# Altium PCB Thunderscope_Rev4.PCBDOC (part 4 of 7)
Units mm, origin at the board's own origin, x right, y up, seen from the top; angles counter-clockwise.
Board outline 119 x 103.6 mm, 6 copper layers (Top Layer, Int1 (GND), Int2 (Sign), Int3 (Sign), Int4 (GND), Bottom Layer), stack 1.49 mm thick; 636 components, 373 nets, 2159 pads, 1291 vias.
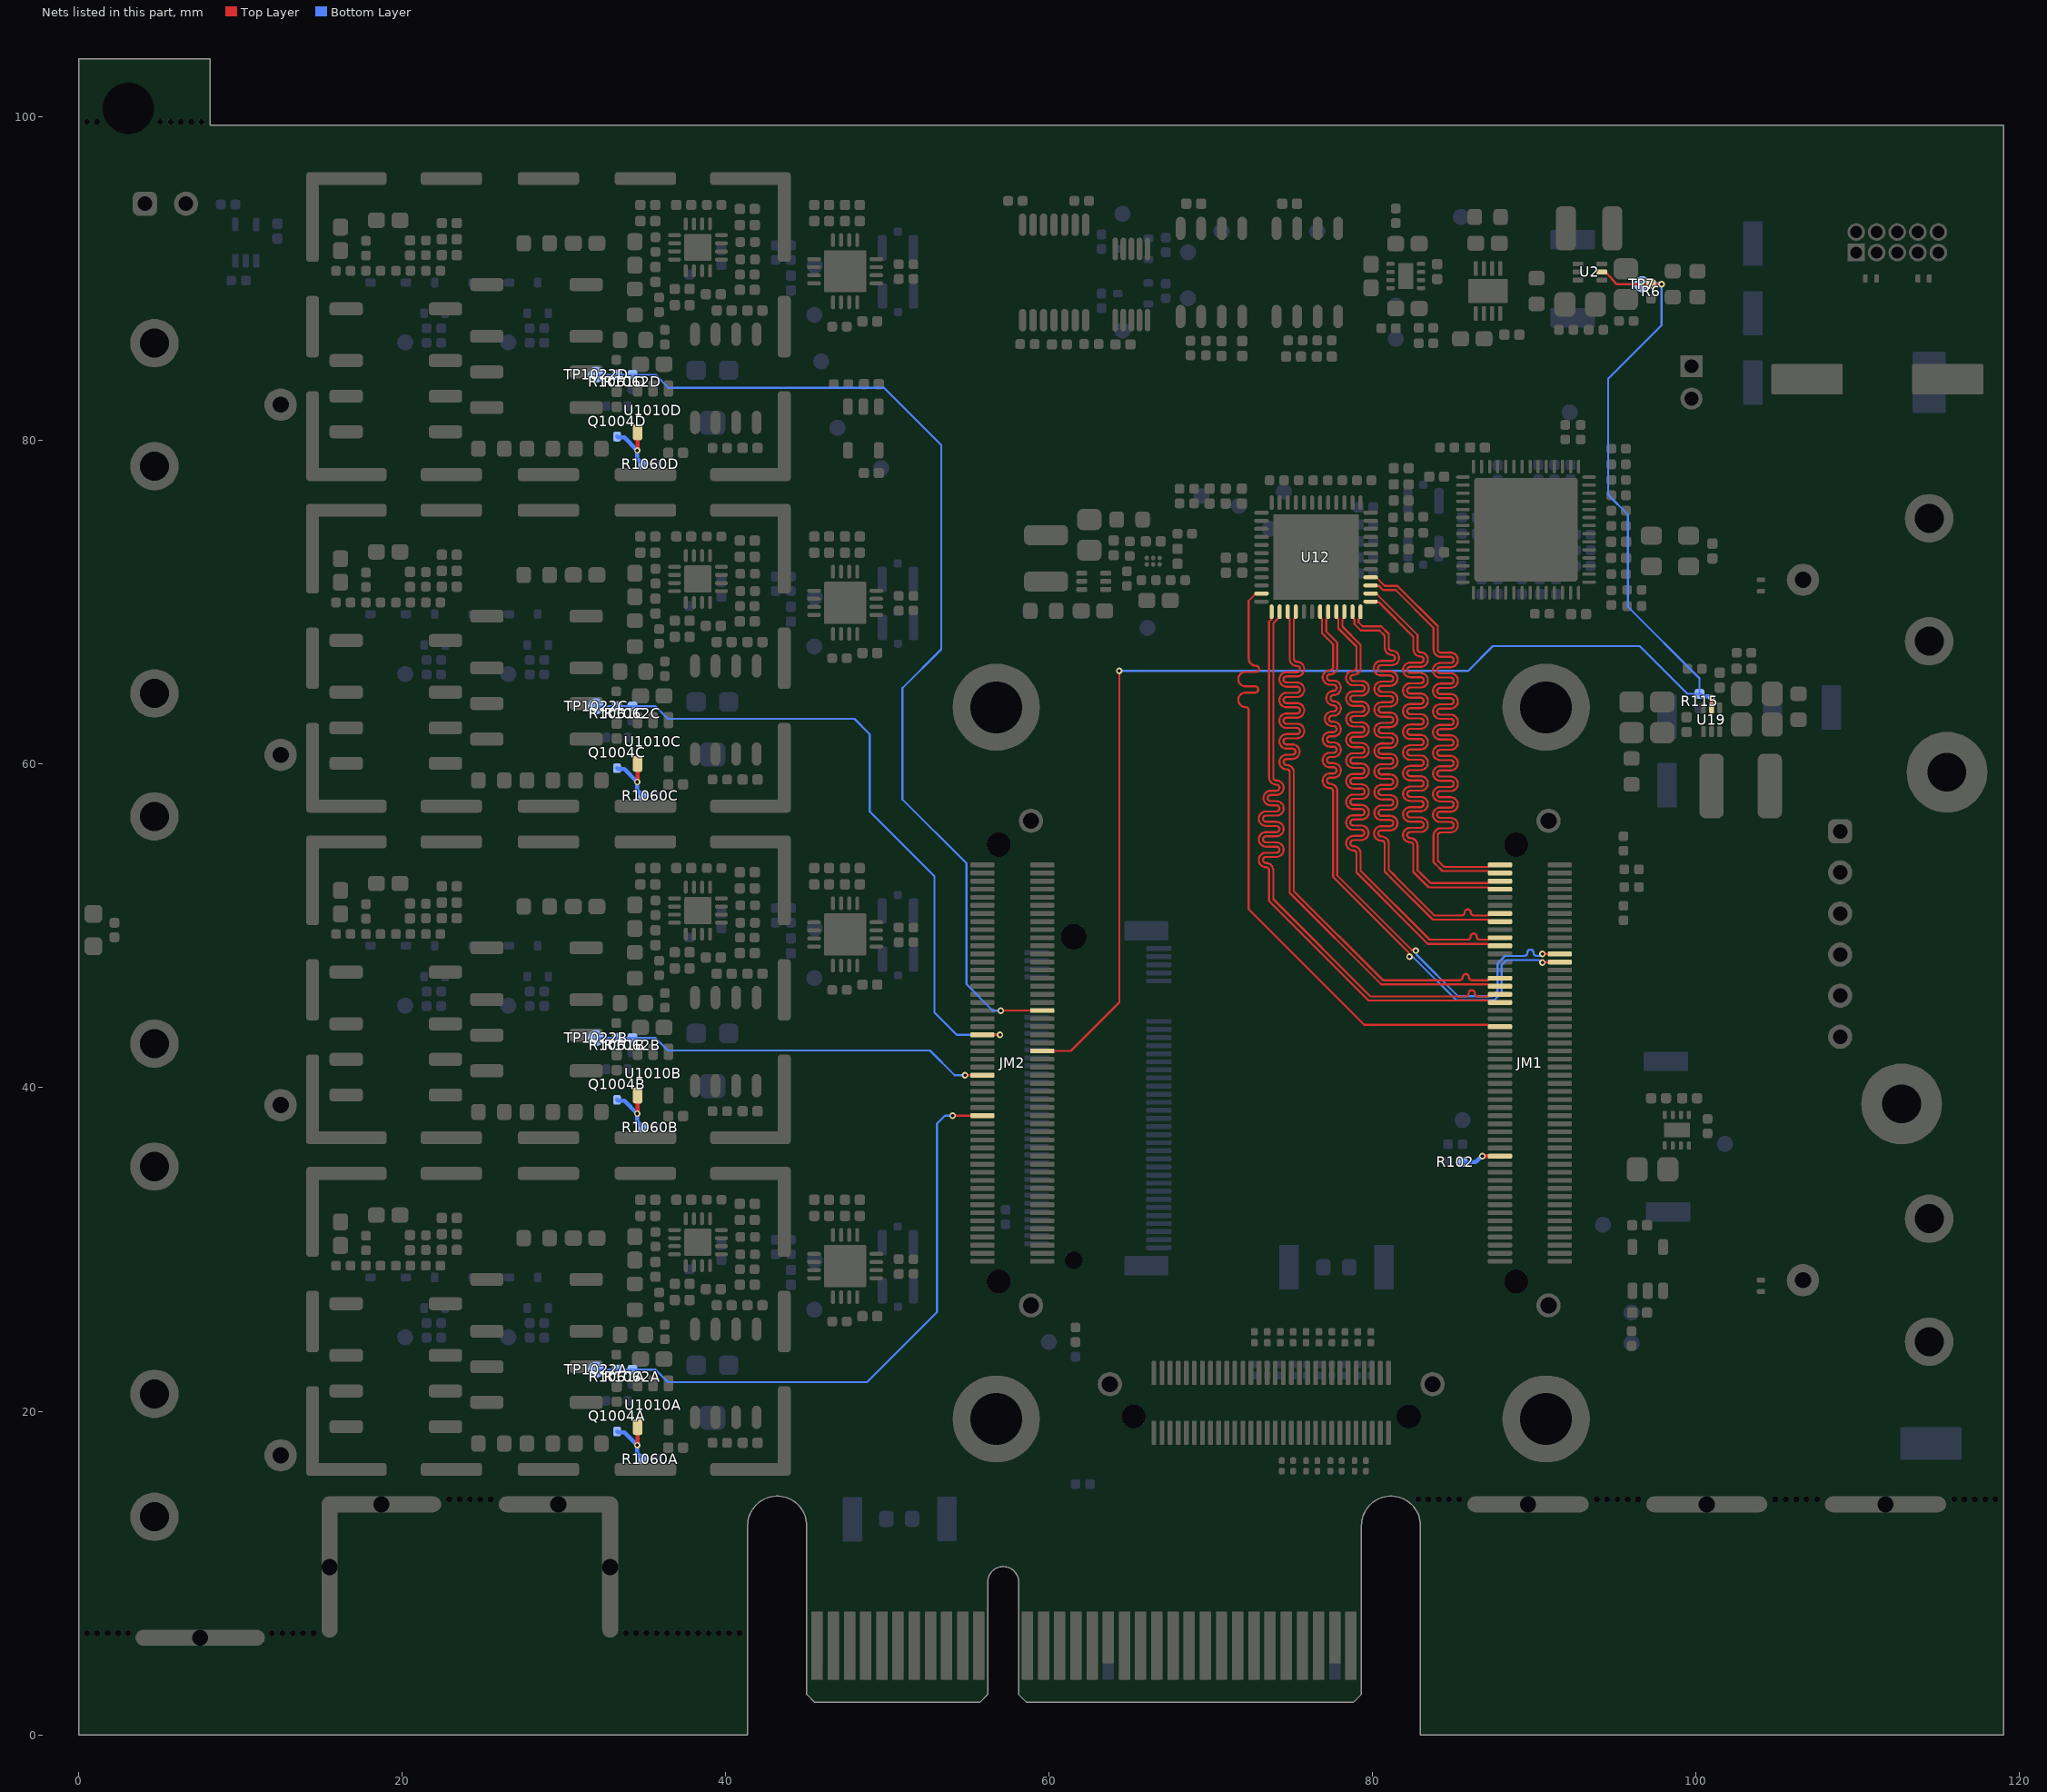
[diagram p8: the nets of this part, all layers, seen from the top]

## Via types
v1: diameter 0.406, hole 0.203, Top Layer to Bottom Layer, tented both sides, 1291 vias

## Nets (pads, with @x,y where several pads share a name; then routed paths per layer and width w, separated by ;. In a path a pad name is that pad's centre, name@x,y a point inside that pad or via, vN(x,y) a via of type N, cw(c..) or ccw(c..) an arc to the next point about the centre after c; other vN are vias at no path point) (continued)
D1B_P: JM1.59 U12.11 | length 42.3
  Top Layer w0.127: U12.11@73.106,70.538 U12.11@73.118,70.55 72.779,70.55 72.325,70.096 72.325,68.38 72.325,66.725 72.325,66.533 ccw(c72.773,66.533) 72.773,66.085 72.775,66.085 cw(c72.775,65.895) 72.965,65.895 cw(c72.775,65.895) 72.775,65.704 72.133,65.704 ccw(c72.133,65.256) 71.685,65.256 ccw(c72.133,65.256) 72.133,64.809 72.728,64.809 cw(c72.728,64.618) 72.919,64.618 cw(c72.728,64.618) 72.728,64.428 72.134,64.428 ccw(c72.134,63.98) 71.687,63.98 ccw(c72.134,63.98) 72.134,63.532 cw(c72.134,63.342) 72.325,63.342 72.325,58.753 72.325,58.279 72.325,51.036 79.469,43.892 87.139,43.892 87.261,43.771 JM1.59@87.867,43.771
D2A_N: JM1.67 U12.14 | length 42.1
  Top Layer w0.127: U12.14@74.243,69.425 74.243,69.105 73.85,68.712 73.85,61.084 73.85,59.184 ccw(c74.04,59.184) 74.04,58.993 cw(c74.041,58.546) 74.488,58.546 cw(c74.041,58.546) 74.041,58.098 73.688,58.098 ccw(c73.688,57.907) 73.498,57.907 ccw(c73.688,57.907) 73.688,57.717 74.042,57.717 cw(c74.042,57.269) 74.49,57.269 cw(c74.042,57.269) 74.042,56.822 73.4,56.822 ccw(c73.4,56.631) 73.21,56.631 ccw(c73.4,56.631) 73.4,56.441 74.042,56.441 cw(c74.042,55.993) 74.49,55.993 cw(c74.042,55.993) 74.042,55.545 73.4,55.545 ccw(c73.4,55.355) 73.21,55.355 ccw(c73.4,55.355) 73.4,55.164 74.042,55.164 cw(c74.042,54.716) 74.49,54.716 cw(c74.042,54.716) 74.042,54.269 73.4,54.269 ccw(c73.4,54.078) 73.21,54.078 ccw(c73.4,54.078) 73.4,53.888 73.402,53.888 cw(c73.402,53.44) 73.85,53.44 73.85,53.248 73.85,51.65 79.851,45.649 84.753,45.649 85.735,45.649 ccw(c85.735,45.84) 85.925,45.84 cw(c86.116,45.84) 86.306,45.84 ccw(c86.497,45.84) 86.497,45.649 86.941,45.649 87.139,45.649 87.261,45.771 JM1.67@87.867,45.771
D2A_P: JM1.65 U12.13 | length 42
  Top Layer w0.127: U12.13@73.743,69.425 73.72,69.401 73.72,68.946 73.593,68.819 73.593,61.084 73.593,59.184 ccw(c74.04,59.184) 74.04,58.736 cw(c74.041,58.546) 74.231,58.546 cw(c74.041,58.546) 74.041,58.355 73.688,58.355 ccw(c73.688,57.907) 73.241,57.907 ccw(c73.688,57.907) 73.688,57.46 74.042,57.46 cw(c74.042,57.269) 74.233,57.269 cw(c74.042,57.269) 74.042,57.079 73.4,57.079 ccw(c73.4,56.631) 72.953,56.631 ccw(c73.4,56.631) 73.4,56.183 74.042,56.183 cw(c74.042,55.993) 74.233,55.993 cw(c74.042,55.993) 74.042,55.802 73.4,55.802 ccw(c73.4,55.355) 72.953,55.355 ccw(c73.4,55.355) 73.4,54.907 74.042,54.907 cw(c74.042,54.716) 74.233,54.716 cw(c74.042,54.716) 74.042,54.526 73.4,54.526 ccw(c73.4,54.078) 72.953,54.078 ccw(c73.4,54.078) 73.4,53.63 73.402,53.63 cw(c73.402,53.44) 73.593,53.44 73.593,53.248 73.593,51.543 79.744,45.392 87.139,45.392 87.261,45.271 JM1.65@87.867,45.271
D2B_N: JM1.71 U12.16 | length 42
  Top Layer w0.127: U12.16@75.243,69.425 75.243,69.085 75.122,68.964 75.122,66.709 75.122,66.517 ccw(c75.312,66.517) 75.312,66.327 75.314,66.327 cw(c75.314,65.879) 75.762,65.879 cw(c75.314,65.879) 75.314,65.431 74.672,65.431 ccw(c74.672,65.241) 74.482,65.241 ccw(c74.672,65.241) 74.672,65.05 75.314,65.05 cw(c75.314,64.602) 75.762,64.602 cw(c75.314,64.602) 75.314,64.155 74.672,64.155 ccw(c74.672,63.964) 74.482,63.964 ccw(c74.672,63.964) 74.672,63.774 75.314,63.774 cw(c75.314,63.326) 75.762,63.326 cw(c75.314,63.326) 75.314,62.878 74.672,62.878 ccw(c74.672,62.688) 74.482,62.688 ccw(c74.672,62.688) 74.672,62.497 75.314,62.497 cw(c75.314,62.05) 75.762,62.05 cw(c75.314,62.05) 75.314,61.602 74.672,61.602 ccw(c74.672,61.411) 74.482,61.411 ccw(c74.672,61.411) 74.672,61.221 75.028,61.221 cw(c75.028,60.773) 75.475,60.773 cw(c75.028,60.773) 75.028,60.325 74.674,60.325 ccw(c74.674,60.135) 74.483,60.135 ccw(c74.674,60.135) 74.674,59.944 cw(c74.674,59.497) 75.122,59.497 75.122,58.351 75.122,52.153 80.626,46.649 84.605,46.649 85.367,46.649 ccw(c85.367,46.84) 85.558,46.84 cw(c85.748,46.84) 85.939,46.84 ccw(c86.129,46.84) 86.129,46.649 86.574,46.649 87.139,46.649 87.261,46.771 JM1.71@87.867,46.771
D2B_P: JM1.69 U12.15 | length 42
  Top Layer w0.127: U12.15@74.743,69.425 74.743,69.085 74.864,68.964 74.864,66.737 74.864,66.709 74.864,66.517 ccw(c75.312,66.517) 75.312,66.069 75.314,66.069 cw(c75.314,65.879) 75.504,65.879 cw(c75.314,65.879) 75.314,65.688 74.672,65.688 ccw(c74.672,65.241) 74.224,65.241 ccw(c74.672,65.241) 74.672,64.793 75.314,64.793 cw(c75.314,64.602) 75.504,64.602 cw(c75.314,64.602) 75.314,64.412 74.672,64.412 ccw(c74.672,63.964) 74.224,63.964 ccw(c74.672,63.964) 74.672,63.516 75.314,63.516 cw(c75.314,63.326) 75.504,63.326 cw(c75.314,63.326) 75.314,63.135 74.672,63.135 ccw(c74.672,62.688) 74.224,62.688 ccw(c74.672,62.688) 74.672,62.24 75.314,62.24 cw(c75.314,62.05) 75.504,62.05 cw(c75.314,62.05) 75.314,61.859 74.672,61.859 ccw(c74.672,61.411) 74.224,61.411 ccw(c74.672,61.411) 74.672,60.964 75.028,60.964 cw(c75.028,60.773) 75.218,60.773 cw(c75.028,60.773) 75.028,60.583 74.674,60.583 ccw(c74.674,60.135) 74.226,60.135 ccw(c74.674,60.135) 74.674,59.687 cw(c74.674,59.497) 74.864,59.497 74.864,58.351 74.864,53.85 74.864,52.047 80.519,46.392 87.139,46.392 87.261,46.271 JM1.69@87.867,46.271
D3A_N: JM1.81 U12.22 | length 42
  Top Layer w0.127: U12.22@78.243,69.425 78.243,69.085 78.122,68.964 78.122,68.503 79.25,67.375 79.25,66.8 79.25,65.969 cw(c78.802,65.969) 78.802,65.522 78.8,65.522 ccw(c78.8,65.331) 78.61,65.331 ccw(c78.8,65.331) 78.8,65.141 79.312,65.141 cw(c79.312,64.693) 79.76,64.693 cw(c79.312,64.693) 79.312,64.245 78.8,64.245 ccw(c78.8,64.055) 78.61,64.055 ccw(c78.8,64.055) 78.8,63.864 79.31,63.864 cw(c79.31,63.416) 79.758,63.416 cw(c79.31,63.416) 79.31,62.969 78.8,62.969 ccw(c78.8,62.778) 78.61,62.778 ccw(c78.8,62.778) 78.8,62.588 79.309,62.588 cw(c79.309,62.14) 79.757,62.14 cw(c79.309,62.14) 79.309,61.692 78.8,61.692 ccw(c78.8,61.502) 78.61,61.502 ccw(c78.8,61.502) 78.8,61.311 79.308,61.311 cw(c79.308,60.864) 79.756,60.864 cw(c79.308,60.864) 79.308,60.416 78.8,60.416 ccw(c78.8,60.225) 78.61,60.225 ccw(c78.8,60.225) 78.8,60.035 79.307,60.035 cw(c79.307,59.587) 79.755,59.587 cw(c79.307,59.587) 79.307,59.139 78.8,59.139 ccw(c78.8,58.949) 78.61,58.949 ccw(c78.8,58.949) 78.8,58.758 79.307,58.758 cw(c79.307,58.311) 79.755,58.311 cw(c79.307,58.311) 79.307,57.863 78.8,57.863 ccw(c78.8,57.672) 78.61,57.672 ccw(c78.8,57.672) 78.8,57.482 79.307,57.482 cw(c79.307,57.034) 79.755,57.034 cw(c79.307,57.034) 79.307,56.587 78.8,56.587 ccw(c78.8,56.396) 78.61,56.396 ccw(c78.8,56.396) 78.8,56.206 79.288,56.206 cw(c79.288,55.758) 79.736,55.758 cw(c79.288,55.758) 79.288,55.31 78.802,55.31 ccw(c78.802,55.12) 78.612,55.12 ccw(c78.802,55.12) 78.802,54.929 cw(c78.802,54.481) 79.25,54.481 79.25,53.55 79.25,53.414 83.515,49.149 84.935,49.149 85.851,49.149 ccw(c85.851,49.34) 86.042,49.34 cw(c86.232,49.34) 86.423,49.34 ccw(c86.613,49.34) 86.613,49.149 87.058,49.149 87.139,49.149 87.261,49.271 JM1.81@87.867,49.271
D3A_P: JM1.79 U12.21 | length 42
  Top Layer w0.127: U12.21@77.743,69.425 77.743,69.085 77.864,68.964 77.864,68.397 78.993,67.268 78.993,66.8 78.993,65.969 cw(c78.802,65.969) 78.802,65.779 78.8,65.779 ccw(c78.8,65.331) 78.353,65.331 ccw(c78.8,65.331) 78.8,64.883 79.312,64.883 cw(c79.312,64.693) 79.502,64.693 cw(c79.312,64.693) 79.312,64.502 78.8,64.502 ccw(c78.8,64.055) 78.353,64.055 ccw(c78.8,64.055) 78.8,63.607 79.31,63.607 cw(c79.31,63.416) 79.501,63.416 cw(c79.31,63.416) 79.31,63.226 78.8,63.226 ccw(c78.8,62.778) 78.353,62.778 ccw(c78.8,62.778) 78.8,62.33 79.309,62.33 cw(c79.309,62.14) 79.499,62.14 cw(c79.309,62.14) 79.309,61.949 78.8,61.949 ccw(c78.8,61.502) 78.353,61.502 ccw(c78.8,61.502) 78.8,61.054 79.308,61.054 cw(c79.308,60.864) 79.498,60.864 cw(c79.308,60.864) 79.308,60.673 78.8,60.673 ccw(c78.8,60.225) 78.353,60.225 ccw(c78.8,60.225) 78.8,59.778 79.307,59.778 cw(c79.307,59.587) 79.498,59.587 cw(c79.307,59.587) 79.307,59.397 78.8,59.397 ccw(c78.8,58.949) 78.353,58.949 ccw(c78.8,58.949) 78.8,58.501 79.307,58.501 cw(c79.307,58.311) 79.497,58.311 cw(c79.307,58.311) 79.307,58.12 78.8,58.12 ccw(c78.8,57.672) 78.353,57.672 ccw(c78.8,57.672) 78.8,57.225 79.307,57.225 cw(c79.307,57.034) 79.497,57.034 cw(c79.307,57.034) 79.307,56.844 78.8,56.844 ccw(c78.8,56.396) 78.353,56.396 ccw(c78.8,56.396) 78.8,55.948 79.288,55.948 cw(c79.288,55.758) 79.479,55.758 cw(c79.288,55.758) 79.288,55.567 78.802,55.567 ccw(c78.802,55.12) 78.355,55.12 ccw(c78.802,55.12) 78.802,54.672 cw(c78.802,54.481) 78.993,54.481 78.993,53.55 78.993,53.307 83.408,48.892 87.139,48.892 87.261,48.771 JM1.79@87.867,48.771
D3B_N: JM1.87 U12.24 | length 42.3
  Top Layer w0.127: U12.24@79.243,69.425 79.243,69.085 79.122,68.964 79.122,68.775 79.371,68.525 80.525,68.525 80.993,68.057 80.993,67.401 80.993,67.209 ccw(c81.183,67.209) 81.183,67.019 ; 81.184,67.019 cw(c81.184,66.571) 81.632,66.571 cw(c81.184,66.571) 81.184,66.123 80.51,66.123 ccw(c80.51,65.933) 80.32,65.933 ccw(c80.51,65.933) 80.51,65.742 81.083,65.742 cw(c81.083,65.295) 81.531,65.295 cw(c81.083,65.295) 81.083,64.847 80.548,64.847 ccw(c80.548,64.656) 80.358,64.656 ccw(c80.548,64.656) 80.548,64.466 81.083,64.466 cw(c81.083,64.018) 81.531,64.018 cw(c81.083,64.018) 81.083,63.57 80.547,63.57 ccw(c80.547,63.38) 80.356,63.38 ccw(c80.547,63.38) 80.547,63.189 81.083,63.189 cw(c81.083,62.742) 81.531,62.742 cw(c81.083,62.742) 81.083,62.294 80.545,62.294 ccw(c80.545,62.103) 80.355,62.103 ccw(c80.545,62.103) 80.545,61.913 81.083,61.913 cw(c81.083,61.465) 81.531,61.465 cw(c81.083,61.465) 81.083,61.018 80.544,61.018 ccw(c80.544,60.827) 80.354,60.827 ccw(c80.544,60.827) 80.544,60.637 81.083,60.637 cw(c81.083,60.189) 81.531,60.189 cw(c81.083,60.189) 81.083,59.741 80.544,59.741 ccw(c80.544,59.551) 80.353,59.551 ccw(c80.544,59.551) 80.544,59.36 81.083,59.36 cw(c81.083,58.912) 81.531,58.912 cw(c81.083,58.912) 81.083,58.465 80.543,58.465 ccw(c80.543,58.274) 80.353,58.274 ccw(c80.543,58.274) 80.543,58.084 81.083,58.084 cw(c81.083,57.636) 81.531,57.636 cw(c81.083,57.636) 81.083,57.188 80.543,57.188 ccw(c80.543,56.998) 80.353,56.998 ccw(c80.543,56.998) 80.543,56.807 81.083,56.807 cw(c81.083,56.36) 81.531,56.36 cw(c81.083,56.36) 81.083,55.912 80.525,55.912 ccw(c80.525,55.721) 80.334,55.721 ccw(c80.525,55.721) 80.525,55.531 80.545,55.531 cw(c80.545,55.083) 80.993,55.083 80.993,53.471 81.295,53.169 81.54,52.923 83.815,50.649 85.427,50.649 85.49,50.649 ccw(c85.49,50.84) 85.681,50.84 cw(c85.871,50.84) 86.062,50.84 ccw(c86.252,50.84) 86.252,50.649 86.821,50.649 87.139,50.649 87.261,50.771 JM1.87@87.867,50.771
D3B_P: JM1.85 U12.23 | length 42.3
  Top Layer w0.127: U12.23@78.743,69.425 78.743,69.085 78.864,68.964 78.864,68.669 79.265,68.268 80.418,68.268 80.736,67.951 80.736,67.401 80.736,67.209 ccw(c81.183,67.209) 81.183,66.762 ; 81.184,66.762 cw(c81.184,66.571) 81.374,66.571 cw(c81.184,66.571) 81.184,66.381 80.51,66.381 ccw(c80.51,65.933) 80.062,65.933 ccw(c80.51,65.933) 80.51,65.485 81.083,65.485 cw(c81.083,65.295) 81.273,65.295 cw(c81.083,65.295) 81.083,65.104 80.548,65.104 ccw(c80.548,64.656) 80.101,64.656 ccw(c80.548,64.656) 80.548,64.209 81.083,64.209 cw(c81.083,64.018) 81.273,64.018 cw(c81.083,64.018) 81.083,63.828 80.547,63.828 ccw(c80.547,63.38) 80.099,63.38 ccw(c80.547,63.38) 80.547,62.932 81.083,62.932 cw(c81.083,62.742) 81.273,62.742 cw(c81.083,62.742) 81.083,62.551 80.545,62.551 ccw(c80.545,62.103) 80.098,62.103 ccw(c80.545,62.103) 80.545,61.656 81.083,61.656 cw(c81.083,61.465) 81.273,61.465 cw(c81.083,61.465) 81.083,61.275 80.544,61.275 ccw(c80.544,60.827) 80.097,60.827 ccw(c80.544,60.827) 80.544,60.379 81.083,60.379 cw(c81.083,60.189) 81.273,60.189 cw(c81.083,60.189) 81.083,59.998 80.544,59.998 ccw(c80.544,59.551) 80.096,59.551 ccw(c80.544,59.551) 80.544,59.103 81.083,59.103 cw(c81.083,58.912) 81.273,58.912 cw(c81.083,58.912) 81.083,58.722 80.543,58.722 ccw(c80.543,58.274) 80.096,58.274 ccw(c80.543,58.274) 80.543,57.826 81.083,57.826 cw(c81.083,57.636) 81.273,57.636 cw(c81.083,57.636) 81.083,57.445 80.543,57.445 ccw(c80.543,56.998) 80.096,56.998 ccw(c80.543,56.998) 80.543,56.55 81.083,56.55 cw(c81.083,56.36) 81.273,56.36 cw(c81.083,56.36) 81.083,56.169 80.525,56.169 ccw(c80.525,55.721) 80.077,55.721 ccw(c80.525,55.721) 80.525,55.274 80.545,55.274 cw(c80.545,55.083) 80.736,55.083 80.736,53.364 81.113,52.987 81.177,52.923 83.708,50.392 87.139,50.392 87.261,50.271 JM1.85@87.867,50.271
D4A_N: JM1.95 U12.26 | length 41.8
  Top Layer w0.127: U12.26@79.868,70.55 80.208,70.55 82.768,67.99 82.768,67.299 82.768,67.107 ccw(c82.958,67.107) 82.958,66.917 82.96,66.917 cw(c82.96,66.469) 83.408,66.469 cw(c82.96,66.469) 82.96,66.021 82.318,66.021 ccw(c82.318,65.831) 82.128,65.831 ccw(c82.318,65.831) 82.318,65.64 82.96,65.64 cw(c82.96,65.193) 83.408,65.193 cw(c82.96,65.193) 82.96,64.745 82.318,64.745 ccw(c82.318,64.554) 82.128,64.554 ; 82.128,64.554 ccw(c82.318,64.554) 82.318,64.364 82.96,64.364 cw(c82.96,63.916) 83.408,63.916 cw(c82.96,63.916) 82.96,63.468 82.318,63.468 ccw(c82.318,63.278) 82.128,63.278 ccw(c82.318,63.278) 82.318,63.087 82.96,63.087 cw(c82.96,62.64) 83.408,62.64 cw(c82.96,62.64) 82.96,62.192 82.318,62.192 ccw(c82.318,62.001) 82.128,62.001 ccw(c82.318,62.001) 82.318,61.811 82.96,61.811 cw(c82.96,61.363) 83.408,61.363 cw(c82.96,61.363) 82.96,60.915 82.318,60.915 ccw(c82.318,60.725) 82.128,60.725 ccw(c82.318,60.725) 82.318,60.534 82.96,60.534 cw(c82.96,60.087) 83.408,60.087 cw(c82.96,60.087) 82.96,59.639 82.318,59.639 ccw(c82.318,59.449) 82.128,59.449 ccw(c82.318,59.449) 82.318,59.258 82.96,59.258 cw(c82.96,58.81) 83.408,58.81 cw(c82.96,58.81) 82.96,58.363 82.318,58.363 ccw(c82.318,58.172) 82.128,58.172 ccw(c82.318,58.172) 82.318,57.982 82.96,57.982 cw(c82.96,57.534) 83.408,57.534 cw(c82.96,57.534) 82.96,57.086 82.318,57.086 ccw(c82.318,56.896) 82.128,56.896 ccw(c82.318,56.896) 82.318,56.705 82.96,56.705 cw(c82.96,56.257) 83.408,56.257 cw(c82.96,56.257) 82.96,55.81 82.318,55.81 ccw(c82.318,55.619) 82.128,55.619 ccw(c82.318,55.619) 82.318,55.429 82.32,55.429 cw(c82.32,54.981) 82.768,54.981 82.768,53.6 82.768,53.446 82.988,53.226 83.565,52.649 87.139,52.649 87.261,52.771 JM1.95@87.867,52.771
D4A_P: JM1.93 U12.25 | length 41.7
  Top Layer w0.127: U12.25@79.868,70.05 79.889,70.029 80.365,70.029 82.511,67.883 82.511,67.299 82.511,67.107 ccw(c82.958,67.107) 82.958,66.659 82.96,66.659 cw(c82.96,66.469) 83.151,66.469 cw(c82.96,66.469) 82.96,66.278 82.318,66.278 ccw(c82.318,65.831) 81.871,65.831 ccw(c82.318,65.831) 82.318,65.383 82.96,65.383 cw(c82.96,65.193) 83.151,65.193 cw(c82.96,65.193) 82.96,65.002 82.318,65.002 ccw(c82.318,64.554) 81.871,64.554 ; 81.871,64.554 ccw(c82.318,64.554) 82.318,64.107 82.96,64.107 cw(c82.96,63.916) 83.151,63.916 cw(c82.96,63.916) 82.96,63.726 82.318,63.726 ccw(c82.318,63.278) 81.871,63.278 ccw(c82.318,63.278) 82.318,62.83 82.96,62.83 cw(c82.96,62.64) 83.151,62.64 cw(c82.96,62.64) 82.96,62.449 82.318,62.449 ccw(c82.318,62.001) 81.871,62.001 ccw(c82.318,62.001) 82.318,61.554 82.96,61.554 cw(c82.96,61.363) 83.151,61.363 cw(c82.96,61.363) 82.96,61.173 82.318,61.173 ccw(c82.318,60.725) 81.871,60.725 ccw(c82.318,60.725) 82.318,60.277 82.96,60.277 cw(c82.96,60.087) 83.151,60.087 cw(c82.96,60.087) 82.96,59.896 82.318,59.896 ccw(c82.318,59.449) 81.871,59.449 ccw(c82.318,59.449) 82.318,59.001 82.96,59.001 cw(c82.96,58.81) 83.151,58.81 cw(c82.96,58.81) 82.96,58.62 82.318,58.62 ccw(c82.318,58.172) 81.871,58.172 ccw(c82.318,58.172) 82.318,57.724 82.96,57.724 cw(c82.96,57.534) 83.151,57.534 cw(c82.96,57.534) 82.96,57.343 82.318,57.343 ccw(c82.318,56.896) 81.871,56.896 ccw(c82.318,56.896) 82.318,56.448 82.96,56.448 cw(c82.96,56.257) 83.151,56.257 cw(c82.96,56.257) 82.96,56.067 82.318,56.067 ccw(c82.318,55.619) 81.871,55.619 ccw(c82.318,55.619) 82.318,55.172 82.32,55.172 cw(c82.32,54.981) 82.511,54.981 82.511,53.6 82.511,53.339 83.458,52.392 87.139,52.392 87.261,52.271 JM1.93@87.867,52.271
D4B_N: JM1.99 U12.28 | length 42
  Top Layer w0.127: U12.28@79.868,71.55 80.208,71.55 80.731,71.027 81.523,71.027 84.018,68.532 84.018,67.276 84.018,67.084 ccw(c84.208,67.084) 84.208,66.893 84.815,66.893 cw(c84.815,66.445) 85.262,66.445 cw(c84.815,66.445) 84.815,65.998 84.169,65.998 ccw(c84.169,65.807) 83.979,65.807 ccw(c84.169,65.807) 84.169,65.617 84.815,65.617 cw(c84.815,65.169) 85.262,65.169 cw(c84.815,65.169) 84.815,64.721 84.169,64.721 ccw(c84.169,64.531) 83.979,64.531 ccw(c84.169,64.531) 84.169,64.34 84.815,64.34 cw(c84.815,63.892) 85.262,63.892 cw(c84.815,63.892) 84.815,63.445 84.169,63.445 ccw(c84.169,63.254) 83.979,63.254 ccw(c84.169,63.254) 84.169,63.064 84.815,63.064 cw(c84.815,62.616) 85.262,62.616 cw(c84.815,62.616) 84.815,62.168 84.169,62.168 ccw(c84.169,61.978) 83.979,61.978 ccw(c84.169,61.978) 84.169,61.787 84.815,61.787 cw(c84.815,61.34) 85.262,61.34 cw(c84.815,61.34) 84.815,60.892 84.169,60.892 ccw(c84.169,60.701) 83.979,60.701 ccw(c84.169,60.701) 84.169,60.511 84.815,60.511 cw(c84.815,60.063) 85.262,60.063 cw(c84.815,60.063) 84.815,59.615 84.169,59.615 ccw(c84.169,59.425) 83.979,59.425 ccw(c84.169,59.425) 84.169,59.234 84.815,59.234 cw(c84.815,58.787) 85.262,58.787 cw(c84.815,58.787) 84.815,58.339 84.169,58.339 ccw(c84.169,58.149) 83.979,58.149 ccw(c84.169,58.149) 84.169,57.958 84.815,57.958 cw(c84.815,57.51) 85.262,57.51 cw(c84.815,57.51) 84.815,57.063 84.169,57.063 ccw(c84.169,56.872) 83.979,56.872 ccw(c84.169,56.872) 84.169,56.682 84.815,56.682 cw(c84.815,56.234) 85.262,56.234 cw(c84.815,56.234) 84.815,55.786 84.208,55.786 ccw(c84.208,55.596) 84.018,55.596 84.018,54.046 84.264,53.8 84.415,53.649 87.139,53.649 87.261,53.771 JM1.99@87.867,53.771
D4B_P: JM1.97 U12.27 | length 41.9
  Top Layer w0.127: U12.27@79.868,71.05 79.889,71.029 80.365,71.029 80.624,70.77 81.417,70.77 83.761,68.426 83.761,67.276 83.761,67.084 ccw(c84.208,67.084) 84.208,66.636 84.815,66.636 cw(c84.815,66.445) 85.005,66.445 cw(c84.815,66.445) 84.815,66.255 84.169,66.255 ccw(c84.169,65.807) 83.722,65.807 ccw(c84.169,65.807) 84.169,65.359 84.815,65.359 cw(c84.815,65.169) 85.005,65.169 cw(c84.815,65.169) 84.815,64.978 84.169,64.978 ccw(c84.169,64.531) 83.722,64.531 ccw(c84.169,64.531) 84.169,64.083 84.815,64.083 cw(c84.815,63.892) 85.005,63.892 cw(c84.815,63.892) 84.815,63.702 84.169,63.702 ccw(c84.169,63.254) 83.722,63.254 ccw(c84.169,63.254) 84.169,62.807 84.815,62.807 cw(c84.815,62.616) 85.005,62.616 cw(c84.815,62.616) 84.815,62.426 84.169,62.426 ccw(c84.169,61.978) 83.722,61.978 ccw(c84.169,61.978) 84.169,61.53 84.815,61.53 cw(c84.815,61.34) 85.005,61.34 cw(c84.815,61.34) 84.815,61.149 84.169,61.149 ccw(c84.169,60.701) 83.722,60.701 ccw(c84.169,60.701) 84.169,60.254 84.815,60.254 cw(c84.815,60.063) 85.005,60.063 cw(c84.815,60.063) 84.815,59.873 84.169,59.873 ccw(c84.169,59.425) 83.722,59.425 ccw(c84.169,59.425) 84.169,58.977 84.815,58.977 cw(c84.815,58.787) 85.005,58.787 cw(c84.815,58.787) 84.815,58.596 84.169,58.596 ccw(c84.169,58.149) 83.722,58.149 ccw(c84.169,58.149) 84.169,57.701 84.815,57.701 cw(c84.815,57.51) 85.005,57.51 cw(c84.815,57.51) 84.815,57.32 84.169,57.32 ccw(c84.169,56.872) 83.722,56.872 ccw(c84.169,56.872) 84.169,56.424 84.815,56.424 cw(c84.815,56.234) 85.005,56.234 cw(c84.815,56.234) 84.815,56.043 84.208,56.043 ccw(c84.208,55.596) 83.761,55.596 83.761,53.939 83.836,53.863 83.9,53.8 84.308,53.392 87.139,53.392 87.261,53.271 JM1.97@87.867,53.271
DC_CPL_1: JM2.37 R1061A.2 R1062A.2 TP1022A.1 | length 37.9
  Top Layer w0.127: v1(54.025,38.275) 54.027,38.273 JM2.37@55.865,38.273
  Bottom Layer w0.127: TP1022A.1@31.975,22.575 R1061A.2@33.275,22.575 R1062A.2@34.225,22.575 35.65,22.575 36.425,21.8 48.725,21.8 53.05,26.125 53.05,37.775 53.55,38.275 v1(54.025,38.275)
DC_CPL_2: JM2.47 R1061B.2 R1062B.2 TP1022B.1 | length 24.9
  Top Layer w0.127: v1(54.787,40.775) 54.789,40.773 55.865,40.773 JM2.47@55.867,40.771
  Bottom Layer w0.127: TP1022B.1@31.975,43.075 R1061B.2@33.275,43.075 R1062B.2@34.225,43.075 35.65,43.075 36.425,42.3 52.625,42.3 54.15,40.775 v1(54.787,40.775) v1@54.8,40.775
DC_CPL_3: JM2.57 R1061C.2 R1062C.2 TP1022C.1 | length 42.2
  Top Layer w0.127: JM2.57@55.867,43.271 55.869,43.273 56.948,43.273 v1(56.95,43.275)
  Bottom Layer w0.127: TP1022C.1@31.975,63.575 R1061C.2@33.275,63.575 R1062C.2@34.225,63.575 35.65,63.575 36.425,62.8 47.95,62.8 48.9,61.85 48.9,57.075 52.9,53.075 52.9,44.65 54.275,43.275 v1(56.95,43.275)
DC_CPL_4: JM2.64 R1061D.2 R1062D.2 TP1022D.1 | length 64.5
  Top Layer w0.127: v1(57,44.767) 57.002,44.769 59.565,44.769 JM2.64@59.567,44.771
  Bottom Layer w0.127: TP1022D.1@31.975,84.075 R1061D.2@33.275,84.075 R1062D.2@34.225,84.075 35.65,84.075 36.45,83.275 49.775,83.275 53.325,79.725 53.325,67.1 50.925,64.7 50.925,57.825 54.875,53.875 54.875,46.4 56.508,44.767 v1(57,44.767)
DC_CPLnA: Q1004A.1 R1060A.1 U1010A.4 | length 3.8
  Top Layer w0.254: v1(34.525,17.9) 34.538,17.913 34.538,19.012 U1010A.4@34.55,19.025 ; U1010A.4@34.55,19.15 U1010A.4@34.563,19.138
  Bottom Layer w0.254: Q1004A.1@33.275,18.75 33.323,18.702 33.723,18.702 v1(34.525,17.9) 34.525,17.4 R1060A.1@34.875,17.05
DC_CPLnB: Q1004B.1 R1060B.1 U1010B.4 | length 3.8
  Top Layer w0.254: v1(34.525,38.4) 34.538,38.413 34.538,39.512 U1010B.4@34.55,39.525 ; U1010B.4@34.55,39.65 U1010B.4@34.563,39.638
  Bottom Layer w0.254: Q1004B.1@33.275,39.25 33.323,39.202 33.723,39.202 v1(34.525,38.4) 34.525,37.9 R1060B.1@34.875,37.55
DC_CPLnC: Q1004C.1 R1060C.1 U1010C.4 | length 3.8
  Top Layer w0.254: v1(34.525,58.9) 34.538,58.913 34.538,60.013 U1010C.4@34.55,60.025 ; U1010C.4@34.55,60.15 U1010C.4@34.563,60.138
  Bottom Layer w0.254: Q1004C.1@33.275,59.75 33.323,59.702 33.723,59.702 v1(34.525,58.9) 34.525,58.4 R1060C.1@34.875,58.05
DC_CPLnD: Q1004D.1 R1060D.1 U1010D.4 | length 3.8
  Top Layer w0.254: v1(34.525,79.4) 34.538,79.413 34.538,80.513 U1010D.4@34.55,80.525 ; U1010D.4@34.55,80.65 U1010D.4@34.563,80.638
  Bottom Layer w0.254: Q1004D.1@33.275,80.25 33.323,80.202 33.723,80.202 v1(34.525,79.4) 34.525,78.9 R1060D.1@34.875,78.55
EN1: JM1.27 R102.1 | length 2.5
  Top Layer w0.254: v1(86.775,35.775) 86.777,35.773 JM1.27@87.867,35.771 JM1.27@87.867,35.771
  Bottom Layer w0.254: R102.1@85.55,35.4 86.359,35.4 86.734,35.775 v1(86.775,35.775)
FCLK_N: JM1.78 U12.20 | length 42
  Top Layer w0.127: U12.20@77.243,69.425 77.243,69.085 77.122,68.964 77.122,68.203 77.8,67.525 77.8,66.745 77.8,66 cw(c77.352,66) 77.352,65.552 ccw(c77.352,65.362) 77.352,65.171 77.576,65.171 cw(c77.576,64.723) 77.576,64.276 ccw(c77.575,64.085) 77.575,63.895 cw(c77.576,63.447) 77.576,62.999 77.484,62.999 ccw(c77.484,62.809) 77.484,62.618 77.576,62.618 cw(c77.576,62.171) 77.576,61.723 77.35,61.723 ccw(c77.35,61.532) 77.35,61.342 77.576,61.342 cw(c77.576,60.894) 77.576,60.446 77.35,60.446 ccw(c77.35,60.256) 77.35,60.065 77.576,60.065 cw(c77.576,59.618) 77.576,59.17 77.35,59.17 ccw(c77.35,58.979) 77.35,58.789 77.352,58.789 cw(c77.352,58.341) 77.8,58.341 77.8,58.149 77.8,53.134 82.403,48.531 82.599,48.531 v1(82.652,48.477) ; v1(90.487,48.272) JM1.78@91.565,48.272
  Bottom Layer w0.127: v1(82.652,48.477) 82.706,48.424 82.706,48.228 85.277,45.657 87.393,45.657 87.717,45.98 87.717,47.692 88.175,48.15 89.306,48.15 89.318,48.15 89.369,48.15 ccw(c89.369,48.34) 89.56,48.34 89.56,48.349 cw(c89.75,48.349) 89.941,48.349 89.941,48.34 ccw(c90.131,48.34) 90.131,48.15 90.289,48.15 90.411,48.272 90.45,48.272 v1(90.487,48.272)
FCLK_P: JM1.76 U12.19 | length 42.1
  Top Layer w0.127: U12.19@76.743,69.425 76.743,69.085 76.864,68.964 76.864,68.097 77.543,67.418 77.543,66.745 77.543,66 cw(c77.352,66) 77.352,65.809 ccw(c77.352,65.362) 77.352,64.914 77.576,64.914 cw(c77.576,64.723) 77.576,64.533 ccw(c77.575,64.085) 77.575,63.637 cw(c77.576,63.447) 77.576,63.256 77.484,63.256 ccw(c77.484,62.809) 77.484,62.361 77.576,62.361 cw(c77.576,62.171) 77.576,61.98 77.35,61.98 ccw(c77.35,61.532) 77.35,61.085 77.576,61.085 cw(c77.576,60.894) 77.576,60.704 77.35,60.704 ccw(c77.35,60.256) 77.35,59.808 77.576,59.808 cw(c77.576,59.618) 77.576,59.427 77.35,59.427 ccw(c77.35,58.979) 77.35,58.532 77.352,58.532 cw(c77.352,58.341) 77.543,58.341 77.543,58.149 77.543,53.028 82.222,48.349 82.222,48.153 v1(82.275,48.1) ; v1(90.487,47.739) 90.513,47.765 90.938,47.765 90.952,47.779 90.992,47.739 JM1.76@91.567,47.739
  Bottom Layer w0.127: v1(82.275,48.1) 82.328,48.047 82.524,48.047 85.17,45.4 87.5,45.4 87.974,45.874 87.974,47.585 88.282,47.893 89.935,47.893 90.273,47.893 90.427,47.739 v1(90.487,47.739)
FE_EN: JM2.54 R6.1 R115.1 TP7.1 U2.2 U19.5 | length 99.9
  Top Layer w0.127: JM2.54@59.567,42.271 61.321,42.271 64.325,45.275 v1(64.325,65.775) ; U2.2@94.165,90.425 94.244,90.346 94.404,90.346 94.444,90.346 94.478,90.322 cw(c94.404,90.219) 94.504,90.296 94.535,90.265 94.688,90.113 94.691,90.11 95.034,89.718 95.077,89.675 95.13,89.675 R6.1@97.2,89.675 ; R6.1@97.206,89.675 R6.1@97.2,89.675 ; v1(97.85,89.675) R6.1@97.2,89.675
  Top Layer w0.254: U19.5@100.95,63.49 v1(100.95,64.1)
  Bottom Layer w0.127: v1(64.325,65.775) 85.9,65.775 87.425,67.3 96.507,67.3 99.457,64.35 R115.1@100.2,64.35 100.2,65.3 95.77,69.73 95.77,71.75 95.77,75.43 94.55,76.65 94.55,83.825 97.85,87.125 v1(97.85,89.675)
  Bottom Layer w0.254: TP7.1@96.65,89.675 v1(97.85,89.675) ; R115.1@100.2,64.35 100.359,64.191 100.804,64.191 100.895,64.1 v1(100.95,64.1)